# Altium PCB LOGTURTLE_APR_25_TX.PcbDoc (part 4 of 5)
Units mm, origin at the board's own origin, x right, y up, seen from the top; angles counter-clockwise.
Board outline 161.1 x 125.7 mm, 6 copper layers (Top Layer, Mid-Layer 1, Mid-Layer 2, Mid-Layer 3, Mid-Layer 4, Bottom Layer), stack 1.771 mm thick; 253 components, 174 nets, 811 pads, 5842 vias.
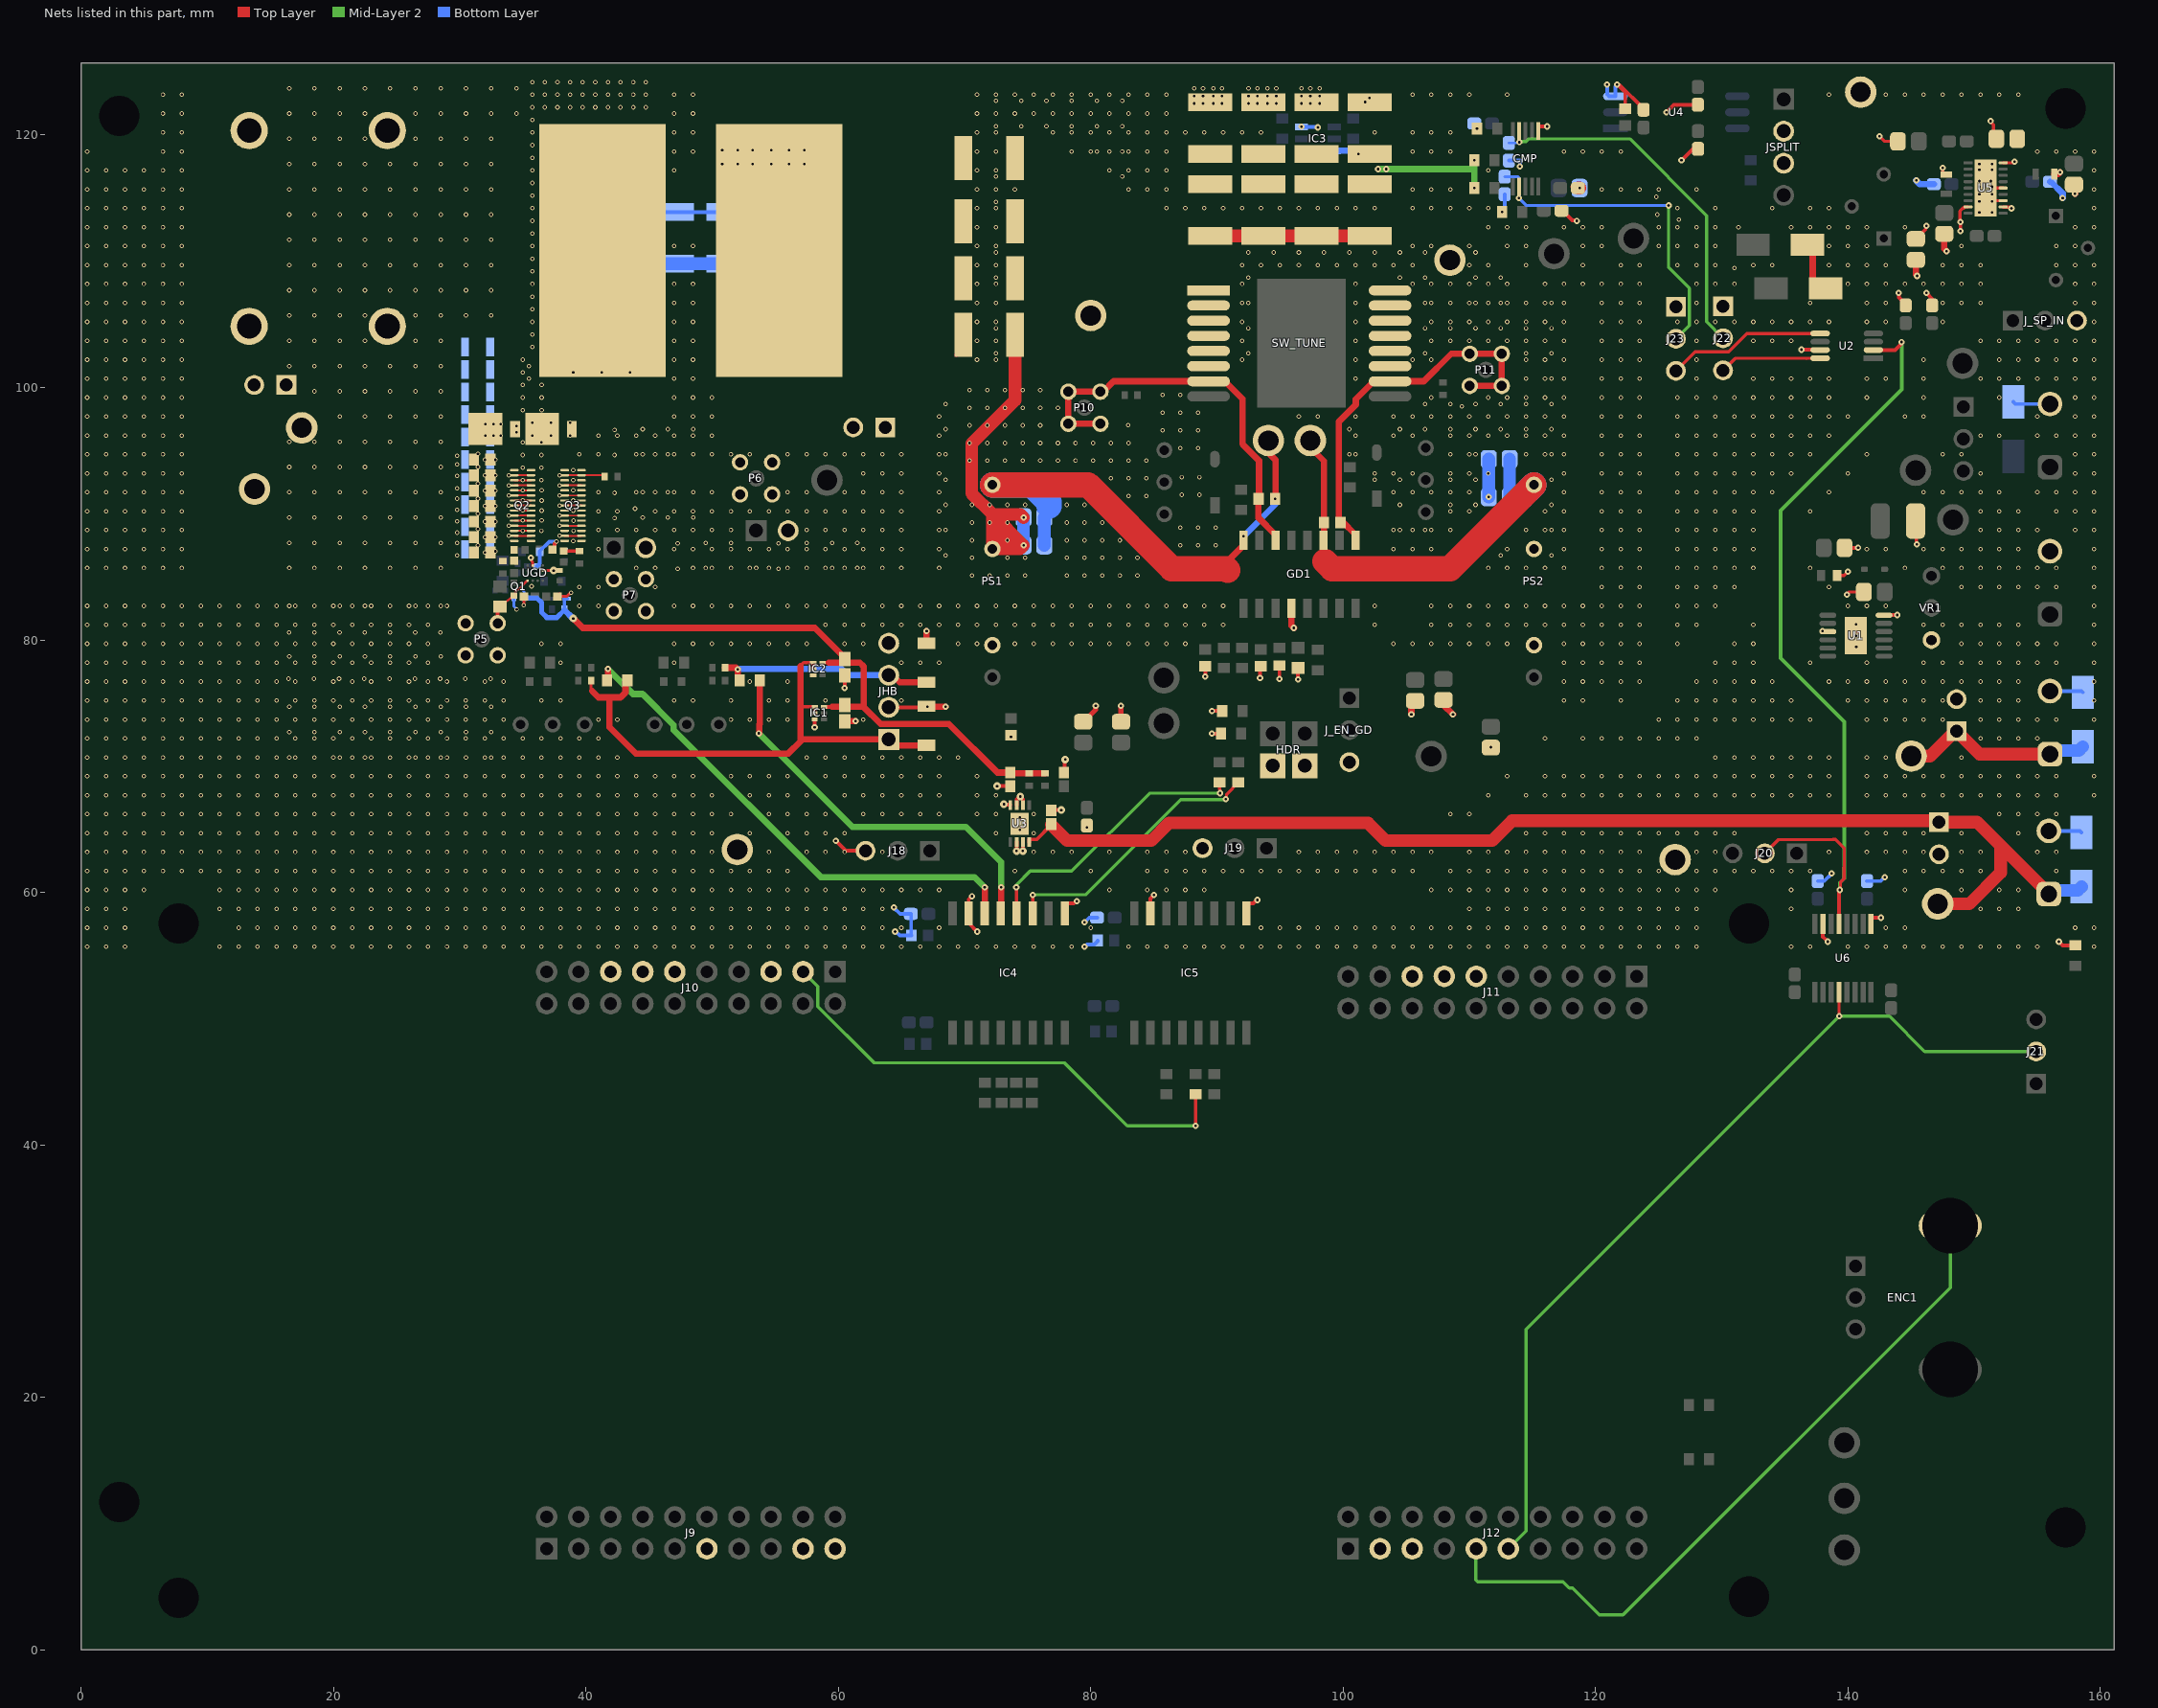
[diagram p8: the nets of this part, all layers, seen from the top]

## Via types
v1: diameter 0.35, hole 0.2, Top Layer to Bottom Layer, 5159 vias
v2: diameter 0.35, hole 0.2, Top Layer to Bottom Layer, tented both sides, 493 vias
v3: diameter 0.5, hole 0.2, Top Layer to Bottom Layer, 141 vias
v4: diameter 0.5, hole 0.2, Top Layer to Bottom Layer, tented both sides, 28 vias
v5: diameter 0.6, hole 0.2, Top Layer to Bottom Layer, tented both sides, 21 vias

## Nets (pads, with @x,y where several pads share a name; then routed paths per layer and width w, separated by ;. In a path a pad name is that pad's centre, name@x,y a point inside that pad or via, vN(x,y) a via of type N, cw(c..) or ccw(c..) an arc to the next point about the centre after c; other vN are vias at no path point) (continued)
P94: J12.11 J21.2 U6.4 | length 71.7
  Top Layer w0.254: U6.4@139.283,52.1 139.291,52.091 139.291,50.209 v3(139.3,50.2)
  Mid-Layer 2 w0.254: J12.11@113.09,8.001 114.503,9.414 114.503,25.403 v3(139.3,50.2) 143.275,50.2 146.075,47.4 J21.2@154.9,47.4
P95: J12.3
P97: ENC1.1 J12.9 | length 56.9
  Mid-Layer 2 w0.254: J12.9@110.55,8.001 110.5,7.951 110.5,5.549 110.649,5.4 117.415,5.4 117.92,4.895 118.17,4.895 120.307,2.758 122.173,2.758 148.1,28.685 ENC1.1@148.1,33.6
P104: J9.19
P105: J9.17
P111: J9.11
P122: J10.13
P123: J10.15
P124: J10.5
P125: J10.3 R7.1 | length 39.6
  Top Layer w0.254: v3(88.3,41.5) R7.1@88.3,44
  Mid-Layer 2 w0.254: J10.3@57.21,53.721 58.385,52.546 58.385,50.952 62.837,46.5 77.9,46.5 82.9,41.5 v3(88.3,41.5)
P130: J11.13
P131: J11.15
P139: J12.5
PWM1: IC1.1 IC1.2 IC2.1 IC2.2 JHB.1 R17.2 R18.1 R28.2 | length 43.2
  Top Layer w0.254: R18.1@40.41,76.78 40.41,76.04 40.5,75.95 ; 57,74.7 IC1.1@58.14,74.7 58.132,74.692 58.132,74.208 IC1.2@58.125,74.2 ; 57,77.95 57.25,78.2 IC2.1@58,78.2 IC2.2@58,77.7
  Top Layer w0.5: 40.5,75.95 41,75.45 41.875,75.45 ; R28.2@43.29,76.8 43.14,76.65 43.14,75.84 42.75,75.45 41.875,75.45 ; 57,77.95 57,74.7 57,71.95 ; R17.2@67,71.65 64.47,71.65 JHB.1@64,72.12 57.17,72.12 57,71.95 ; 41.875,75.45 41.875,73.075 43.95,71 56.05,71 57,71.95
PWM1_1: IC4.12 R46.1 | length 22.3
  Top Layer w0.254: v3(74.1,60.4) 74.117,60.383 74.117,58.342 IC4.12@74.135,58.325 ; R46.1@90.2,68.7 90.2,68.173 90.24,68.133 v3(90.24,67.86)
  Mid-Layer 2 w0.254: v3(74.1,60.4) 74.147,60.447 74.147,60.647 75.2,61.7 78.5,61.7 84.66,67.86 v3(90.24,67.86)
PWM1_HB: IC4.14 R28.1 | length 40.2
  Top Layer w0.5: R28.1@41.69,76.8 41.75,76.86 v3(41.75,77.7) ; IC4.14@71.595,58.325 71.6,58.33 v3(71.6,60.4)
  Mid-Layer 2 w0.5: v3(41.75,77.7) 43.736,75.714 44.499,75.714 46.956,73.258 46.956,72.871 58.613,61.214 70.786,61.214 v3(71.6,60.4)
PWM2: JHB.3 R21.2 R22.1 R30.2 | length 17.4
  Top Layer w0.5: R22.1@51.03,77.8 51.897,77.8 v4(52.04,77.657) 52.04,76.93 R30.2@52.19,76.78 ; JHB.3@64,77.2 64.311,77.2 64.861,76.65 R21.2@67,76.65
  Bottom Layer w0.5: v4(52.04,77.657) 52.083,77.7 60.272,77.7 60.772,77.2 JHB.3@64,77.2
PWM2_1: IC4.11 R49.1 | length 21.6
  Top Layer w0.254: v3(75.4,59.8) 75.403,59.797 75.403,58.327 IC4.11@75.405,58.325 ; v3(90.7,67.4) 90.757,67.457 90.757,67.757 R49.1@91.7,68.7
  Mid-Layer 2 w0.254: v3(75.4,59.8) 75.417,59.817 79.592,59.817 87.118,67.343 90.643,67.343 v3(90.7,67.4)
PWM2_HB: IC4.13 R30.1 | length 31.7
  Top Layer w0.5: v3(53.7,72.6) 53.73,72.6 53.73,73.3 53.79,73.36 R30.1@53.79,76.78 ; IC4.13@72.865,58.325 72.9,58.36 v3(72.9,60.4)
  Mid-Layer 2 w0.5: v3(53.7,72.6) 61.1,65.2 70.1,65.2 72.9,62.4 v3(72.9,60.4)
RST: J10.11
RST_DUMMY: J11.11
S1: C11.1 C12.1 C13.1 C14.1 C19.2 C20.2 C21.2 C51.2 C94.1 C95.1 PS1.5 SW_TUNE.1 SW_TUNE.2 SW_TUNE.3 SW_TUNE.4 SW_TUNE.5 SW_TUNE.6 TP33.1 | length 44.3
  Top Layer w1: 73.6,87.8 73.215,87.8 72.215,88.8 ; C11.1@74,104.165 74,98.977 70.565,95.542 70.565,91.604 72.215,89.954 ; v3(74.675,89.7) 74.421,89.954 72.215,89.954 ; C51.2@89.462,112.004 C21.2@102.096,112.004 ; 72.215,88.8 PS1.5@72.215,87.207 74.382,87.207 v3(74.675,87.5) 74.668,87.5 72.215,89.954 ; 72.215,88.8 72.215,89.954
  Bottom Layer w1: v3(74.675,87.5) v3(74.675,89.7)
  other v1: 70.6,85.1 72,85.1 73.4,85.1 74.8,85.1 78.1,85.1 79.5,85.1 80.9,85.1 82.3,85.1 83.7,85.1 70.6,86.5 73.4,86.5 74.8,86.5 78.1,86.5 79.5,86.5 80.9,86.5 82.3,86.5 83.7,86.5 87.1,87.5 88.5,87.5 89.9,87.5 70.6,87.9 73.4,87.9 78.1,87.9 79.5,87.9 80.9,87.9 82.3,87.9 87.1,88.9 88.5,88.9 89.9,88.9 70.6,89.3 72,89.3 73.4,89.3 78.1,89.3 79.5,89.3 80.9,89.3 70.6,90.7 72,90.7 73.4,90.7 74.8,90.7 78.1,90.7 79.5,90.7 83,91.4 84.4,91.4 87.2,91.5 88.6,91.5 81.6,92.8 83,92.8 84.4,92.8 87.2,92.9 88.6,92.9 70.4,94.2 71.8,94.2 73.2,94.2 74.6,94.2 76,94.2 77.4,94.2 78.8,94.2 80.2,94.2 81.6,94.2 83,94.2 84.4,94.2 87.1,95.2 88.5,95.2 70.4,95.6 71.8,95.6 73.2,95.6 74.6,95.6 76,95.6 77.4,95.6 78.8,95.6 80.2,95.6 81.6,95.6 83,95.6 85.7,96.6 87.1,96.6 88.5,96.6 70.4,97 71.8,97 73.2,97 74.6,97 76,97 82.97,97.025 85.7,98 87.1,98 88.5,98 70.4,98.4 71.8,98.4 73.2,98.4 74.6,98.4 76,98.4 77.4,98.4 85.7,99.4 87.1,99.4 70.4,99.8 71.8,99.8 73.2,99.8 74.6,99.8 76,99.8
S2: C1.1 C2.1 C3.1 C4.1 C5.1 C6.1 C7.1 C8.1 C9.1 C10.1 C15.1 C16.1 C17.1 C18.1 C22.1 C23.1 C24.1 C25.1 C26.1 C28.1 C29.2 C30.2 C31.2 C32.2 C33.2 C34.2 C35.2 C36.2 C37.2 C38.2 C39.1 C40.2 C41.2 C42.2 C43.2 C44.2 C45.2 C46.2 C48.1 C49.1 C50.2 C52.1 C53.1 C54.1 C56.1 C57.1 C58.1 C59.1 C61.1 C62.1 C63.1 C64.1 C65.1 C66.2 C67.2 C68.1 C69.1 C72.1 C73.1 C76.1 C77.1 C78.1 C79.2 C80.1 C84.1 C85.1 C87.1 C89.1 C90.1 C91.1 C92.1 C93.1 C96.1 C97.1 C_VR1.1 C_VR2.1 CMP.1 D7.2 D16.1 D17.1 D18.1 D19.1 D20.2 GD1.4 HDR.1 HDR.3 IC1.3 IC2.3 IC3.3 IC4.9 IC4.15 IC5.9 IC5.15 J2.2 J5.1 J6.2 J7.2 J8.2 J13.2 J14.2 J15.2 J16.2 J17.2 J18.3 J19.3 J22.1 J23.1 J_EN_GD.3 J_SP_IN.3 JHB.2 JHB.4 P6.2 P6.3 P6.4 P6.5 P7.2 P7.3 P7.4 P7.5 PS1.2 PS2.2 PS2.5 Q3.2 Q3.5 Q3.6 Q3.9 Q3.10 Q3.13 Q3.14 Q3.17 Q3.18 Q3.21 Q3.22 Q3.25 Q3.26 Q3.29 Q3.30 R1.1 R17.1 R21.1 R41.1 R43.1 R48.1 R53.1 R56.1 R57.1 RRGNDREF.1 SW_TUNE.11 SW_TUNE.12 SW_TUNE.13 SW_TUNE.14 SW_TUNE.15 SW_TUNE.16 TP4.1 TP5.1 TP10.1 TP12.1 TP34.1 U1.6 U1.9 U1.13 U2.7 U3.2 U3.3 U3.4 U3.6 U3.7 U3.9 U4.3 U5.12 U5.14 U5.19 U6.9 U6.15 UGD.A2 VR1.3 | length 131.2
  Top Layer w0.225: v2(35.085,82.75) C48.1@35.085,83.45 ; UGD.A2@36.59,85.5 v5(37.45,85.5) C50.2@37.925,85.5 ; C49.1@37.74,83.45 37.947,83.658 37.947,83.47 37.967,83.45 38.491,83.45 38.791,83.75 v2(38.825,83.75)
  Top Layer w0.254: R1.1@139.129,85.1 139.7,85.1 v3(140,85.4) ; v3(139.9,83.6) 140.1,83.8 C1.1@141.25,83.8 ; v3(142.5,119.9) 142.9,119.5 C63.1@143.95,119.5 ; v3(147.5,117.4) 147.5,116.986 147.623,116.863 R57.1@147.794,116.863 ; v3(151.3,121.1) 151.3,121.033 151.527,120.806 151.527,119.923 C68.1@151.75,119.7 ; U5.12@152.291,114.8 151.648,114.8 150.9,115.548 U5.19@150.9,115.8 151.5,115.8 U5.14@152.291,115.8
  Top Layer w0.3: v4(58.125,73.075) IC1.3@58.125,73.7 ; v3(59.8,64.1) 60.6,63.3 J18.3@62.16,63.3 ; v4(60.5,76.2) C39.1@60.5,77.2 ; JHB.2@64,74.66 67.01,74.66 v4(67.05,74.7) ; v3(70.6,59.7) 70.325,59.425 IC4.15@70.325,58.325 70.325,57.575 v3(71,56.9) ; v5(72.585,68.425) 73.609,68.425 C25.1@73.625,68.409 ; v5(73.122,66.988) 73.166,66.944 73.625,66.944 U3.4@73.625,66.9 ; v3(73.68,72.322) C4.1@73.68,72.462 ; v5(74.125,63.285) U3.6@74.125,64 ; U3.3@74.125,66.9 74.125,67.386 ; v5@74.172,67.426 74.339,67.593 v5(74.42,67.593) 74.625,67.388 U3.2@74.625,66.9 ; v5(74.625,63.285) U3.7@74.625,64 ; C23.1@76.875,66.491 76.909,66.525 v5(77.665,66.525) ; C24.1@77.875,69.491 77.93,69.546 77.93,70.47 v5(77.985,70.525) ; IC4.9@77.945,58.325 77.945,58.95 78.12,59.125 78.671,59.125 78.846,59.3 v3(78.9,59.3) ; v3(79.7,65.15) C5.1@79.7,65.3 ; IC5.15@84.725,58.325 84.725,59.525 v3(85,59.8) ; v4(89.074,77.114) C87.1@89.074,77.914 ; v4(89.59,72.574) R48.1@90.315,72.574 ; v4(89.615,74.374) R53.1@90.415,74.374 ; IC5.9@92.345,58.325 92.345,58.95 92.52,59.125 92.871,59.125 93.146,59.4 v3(93.2,59.4) ; v4(93.415,76.974) 93.415,77.862 C89.1@93.466,77.914 ; v4(94.95,76.91) C85.1@94.95,77.974 ; v4(96.425,76.874) C84.1@96.425,77.774 ; C6.1@111.7,71.475 v3(111.7,71.5) ; CMP.1@115.45,120.325 115.45,120.68 v4(116.15,120.68) ; C15.1@117.3,114 117.375,114 118.137,113.238 118.462,113.238 v3(118.5,113.2) ; C79.2@118.15,115.889 C79.2@118.289,115.889 ; v3(121.7,124) v3@121.738,123.962 ; C62.1@122.343,122.081 122.343,123.357 v3@121.738,123.962 ; C61.1@123.8,122 123.8,122.075 121.913,123.962 v3@121.738,123.962 ; v3(125.6,121.8) 126.2,122.4 C18.1@128.1,122.4 ; v3(126.8,118) 127.7,118.9 C17.1@128.113,118.9 ; v3(136.3,103) 136.312,102.988 137.778,102.988 U2.7@137.79,102.975 ; v4(137.965,80.7) 138.4,80.7 U1.9@138.4,80.66 ; U6.15@138.013,57.5 138.013,56.487 v3(138.4,56.1) ; C3.1@139.725,87.3 139.74,87.285 139.755,87.3 v3(140.8,87.3) ; U6.9@141.823,57.5 141.823,57.945 141.878,58 v3(142.6,58) ; U1.6@142.85,81.96 143.9,81.96 v4(143.9,81.975) ; v3(144,107.5) 144.038,107.462 144.038,107.147 144.562,106.623 C80.1@144.562,106.501 ; C2.1@145.35,89.42 145.412,89.358 145.412,87.613 v4(145.45,87.575) ; v3(146.2,107.5) 146.662,107.038 C78.1@146.662,106.501 ; v3(156.7,56.1) 157,55.8 RRGNDREF.1@158,55.8
  Top Layer w0.4: C90.1@79.4,73.525 79.439,73.525 80.381,74.467 80.381,74.781 v3(80.4,74.8) ; C91.1@82.4,73.525 v3(82.4,74.8)
  Top Layer w0.5: C28.1@60.5,73.559 v4(61.359,73.559) ; R21.1@67,79.75 v4(67,80.7) ; v4(67.05,74.7) v4(68.5,74.7)
  Top Layer w0.508: GD1.4@95.901,82.505 95.901,81.149 v3(96.1,80.95) ; v3(105.4,74.1) 105.4,74.875 C93.1@105.7,75.175 ; C92.1@107.95,75.25 107.95,74.85 v3(108.7,74.1) ; D20.2@136.775,111.32 137.2,110.894 137.2,108.466 137.821,107.845 D19.1@138.21,107.845 ; C69.1@145.373,110.114 145.373,108.939 v3(145.473,108.839) ; C65.1@147.619,112.175 147.619,110.981 v3(147.8,110.8) ; v1(151.4,115.9) U5.19@151.5,115.8 ; R56.1@156.35,116.9 156.65,116.9 v3(156.8,117.05) ; C64.1@157.9,116.075 157.986,115.989 v3(157.986,115.353)
  Top Layer w1: C79.2@118.6,115.8 v3(118.75,115.8)
  Bottom Layer w0.225: C22.1@34.3,83.325 34.3,82.666 34.52,82.446 v2(34.52,82.412)
  Bottom Layer w0.3: v3(64.4,58.8) 64.9,58.3 C54.1@65.75,58.3 65.77,58.28 65.77,56.609 C53.1@65.79,56.589 64.865,56.589 64.554,56.9 v3(64.5,56.9) ; v3(79.5,55.7) 79.554,55.7 79.724,55.869 80.275,55.869 80.54,56.134 C72.1@80.54,56.189 ; v3(79.518,57.63) 79.888,58 C73.1@80.5,58 ; v3(96.7,120.65) 96.725,120.625 97.975,120.625 v3(98,120.6) ; v4(112.6,113.9) 112.8,113.9 C_VR2.1@112.8,115.3 ; C_VR1.1@113.134,117.975 114,117.975 v3(114,117.5) ; v3(120.9,124) 120.938,123.962 120.938,123.219 121.087,123.07 U4.3@121.569,123.07 121.569,123.815 121.7,123.946 v3(121.7,124) ; C77.1@137.6,60.9 138.1,60.9 v3(138.7,61.5) ; C76.1@141.5,60.9 142.6,60.9 v3(142.9,61.2) ; D16.1@153.1,98.85 153.259,98.691 J7.2@156,98.691 ; J15.2@155.906,64.875 158.375,64.875 D17.1@158.5,64.75 ; J17.2@156,75.95 158.5,75.95 D18.1@158.6,75.85
  Bottom Layer w0.508: v3(145.4,116.4) 145.7,116.1 C67.2@146.8,116.1 ; C66.2@156,116.3 156.075,116.3 157,115.375 v3(157,115)
  Bottom Layer w1: v3(111.537,91.322) C97.1@111.537,94.322
  Bottom Layer w1.016: C10.1@41.8,109.8 C9.1@46.8,109.8 C8.1@51.3,109.8 C7.1@55.8,109.8